# Altium PCB RTM_SFP.PcbDoc (part 14 of 17)
Units mil, origin at the board's own origin, x right, y up, seen from the top; angles counter-clockwise.
Board outline 7185 x 5846.5 mil, 4 copper layers (Top Layer, MidPlane_1, MidPlane_2, Bottom Layer), stack 63.553 mil thick; 389 components, 333 nets, 1578 pads, 1486 vias.
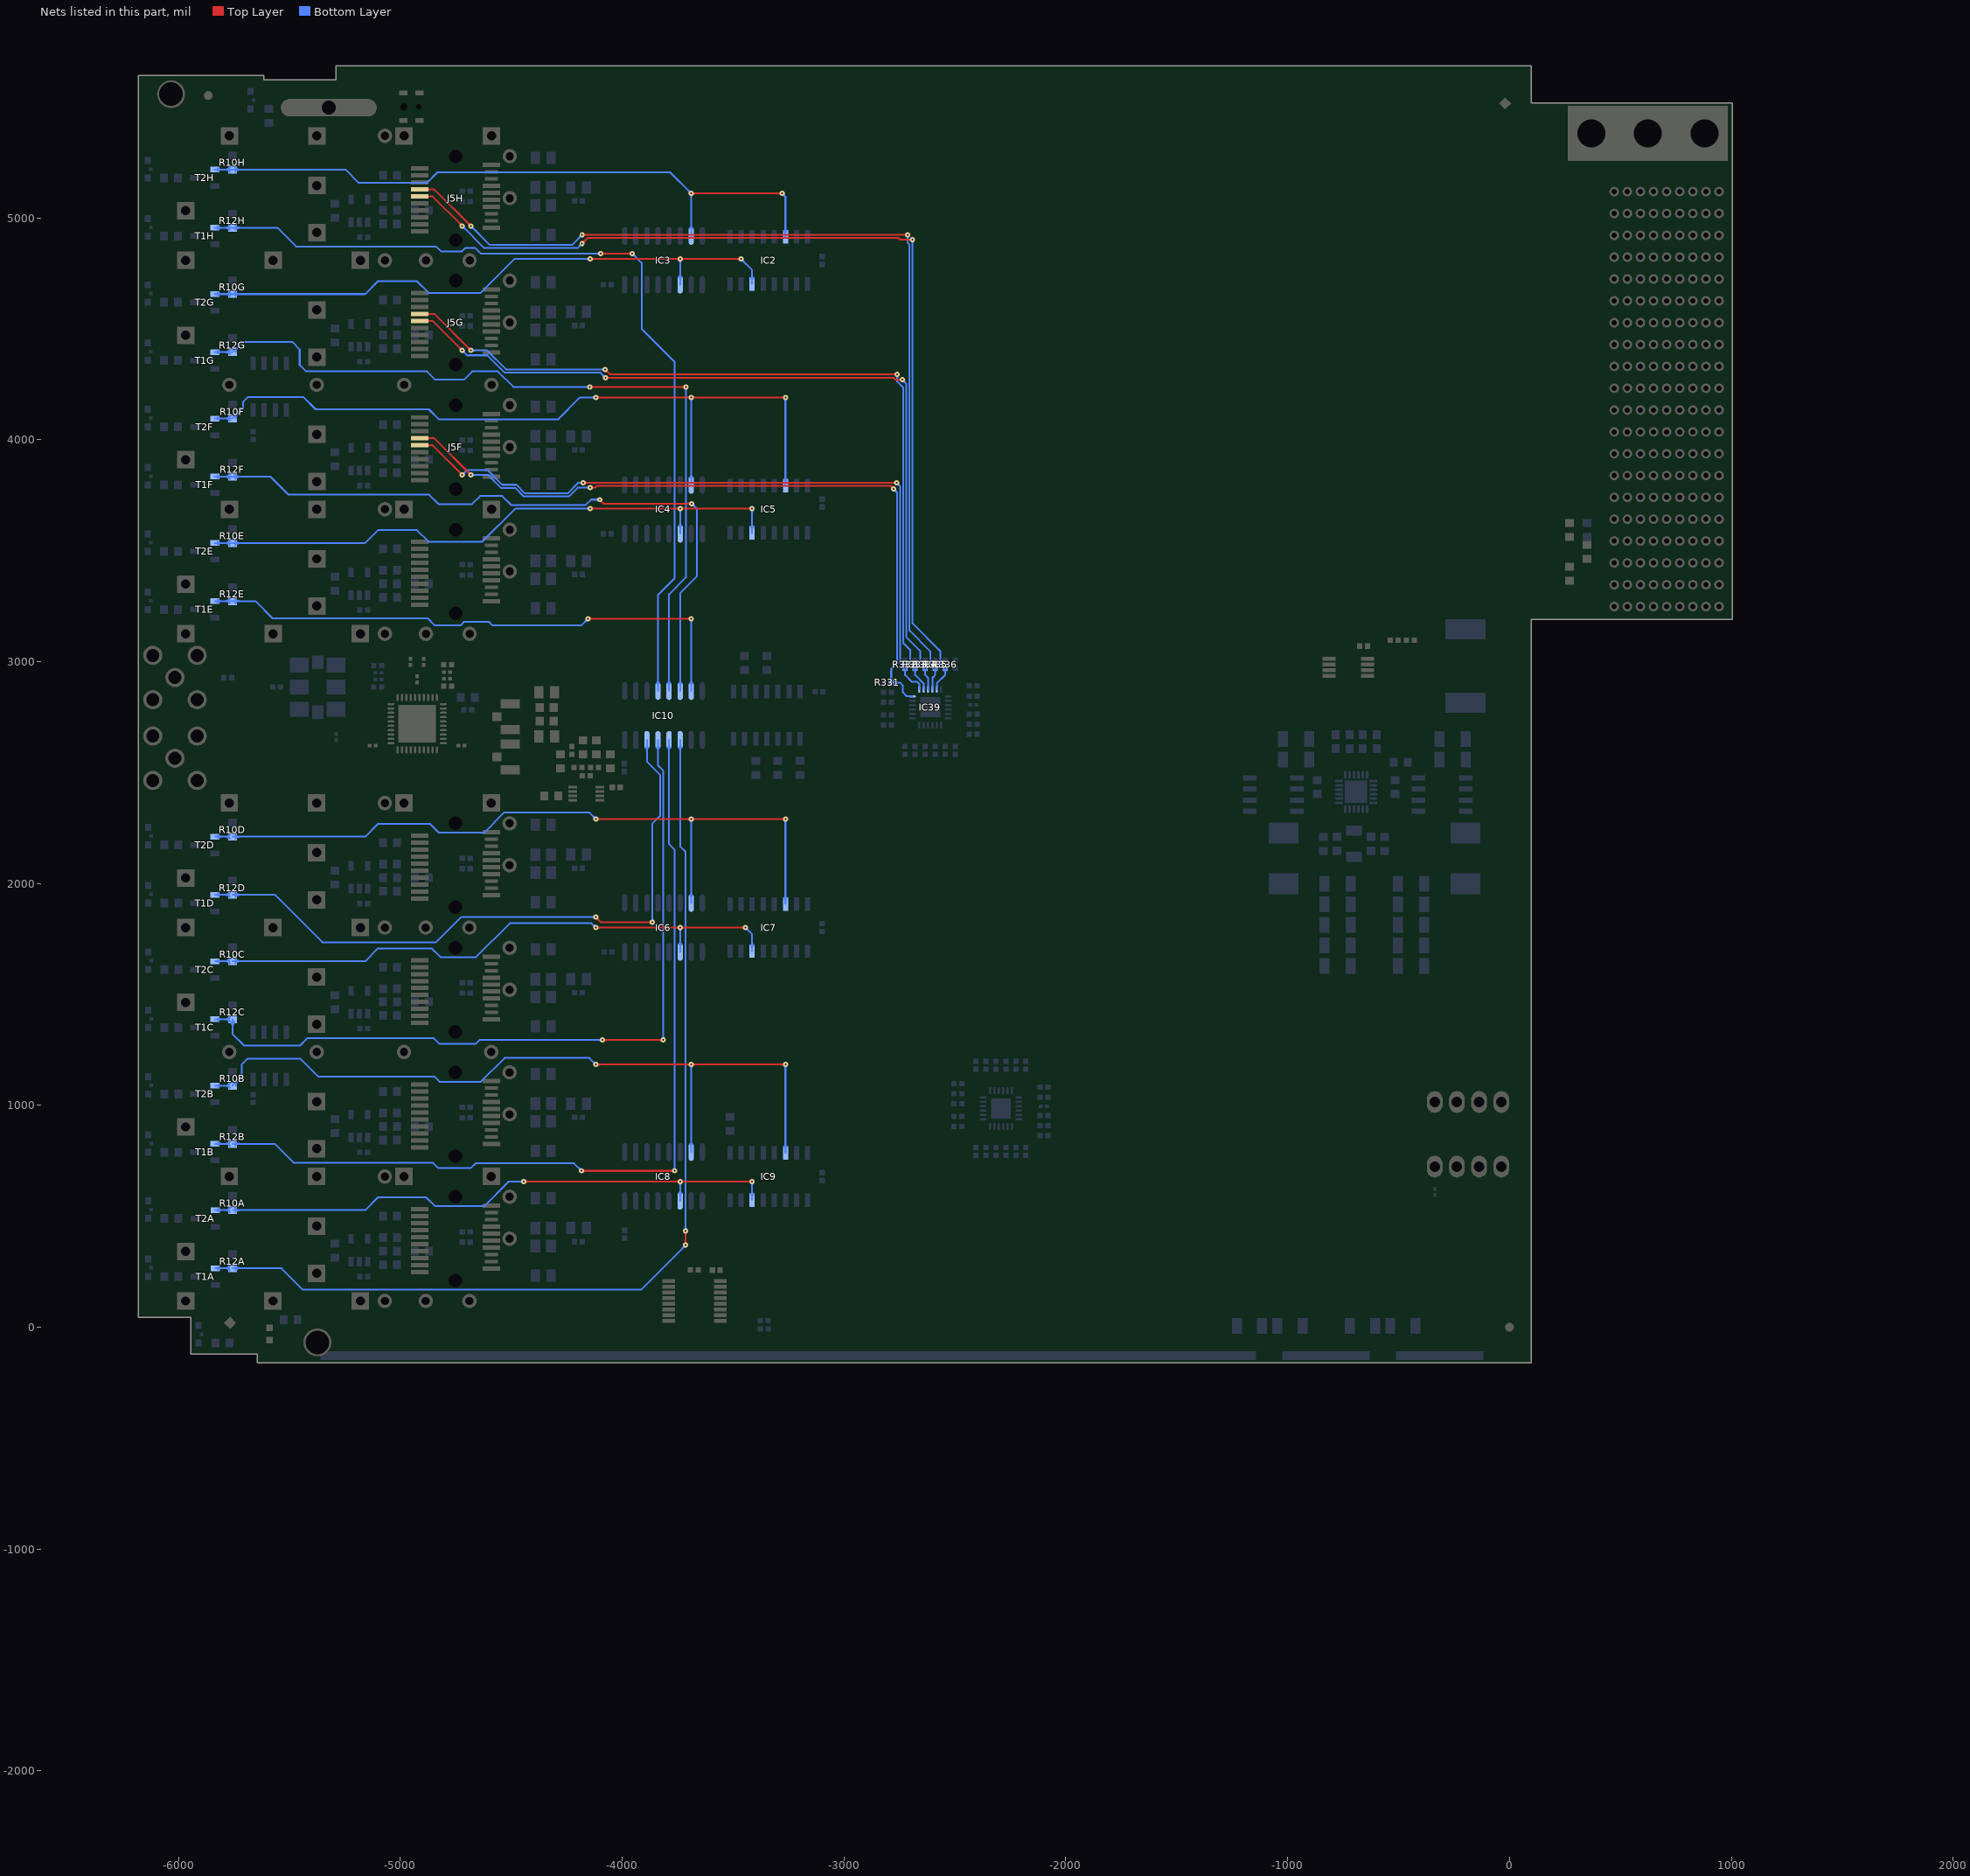
[diagram p16: the nets of this part, all layers, seen from the top]

## Via types
v1: diameter 23.62, hole 7.87, Top Layer to Bottom Layer, tented both sides, 1401 vias
v2: diameter 27.56, hole 11.81, Top Layer to Bottom Layer, tented both sides, 59 vias
v3: diameter 25.98, hole 12.99, Top Layer to Bottom Layer, tented top, 24 vias
v4: diameter 23.62, hole 11.81, Top Layer to Bottom Layer, tented both sides, 2 vias

## Nets (pads, with @x,y where several pads share a name; then routed paths per layer and width w, separated by ;. In a path a pad name is that pad's centre, name@x,y a point inside that pad or via, vN(x,y) a via of type N, cw(c..) or ccw(c..) an arc to the next point about the centre after c; other vN are vias at no path point) (continued)
SFP_I2C_6.SCL: IC39.13 J5F.5 R332.1 | length 3733.2
  Top Layer w7.99: J5F.5@-4912.42,3974.66 -4854.19,3974.66 v1(-4720.87,3841.34) ; J5F.5@-4878.76,3970.53 cw(c-4868.77,3960.55) -4868.77,3974.66 cw(c-4868.77,3988.78) J5F.5@-4878.76,3978.8 ; -4731.25,3850.91 ccw(c-4718.19,3854.41) v1@-4720.9,3841.17 ; -4730.44,3851.72 cw(c-4733.93,3838.66) v1@-4720.69,3841.37 ; v1(-4175.2,3805.91) v1(-2762.99,3805.91) ; -4734.21,3854.68 cw(c-4747.55,3841.34) -4728.68,3841.34 ccw(c-4747.55,3841.34) -4734.21,3854.68 ; -4734.21,3854.68 ccw(c-4720.87,3868.02) -4720.87,3849.15 cw(c-4720.87,3868.02) -4734.21,3854.68 ; -4156.33,3805.91 cw(c-4156.33,3824.77) -4169.67,3811.43 ccw(c-4156.33,3824.77) -4156.33,3805.91 ; -4156.33,3805.91 ccw(c-4156.33,3787.04) -4169.67,3800.38 cw(c-4156.33,3787.04) -4156.33,3805.91 ; -2781.86,3805.91 cw(c-2781.86,3787.04) -2768.52,3800.38 ccw(c-2781.86,3787.04) -2781.86,3805.91 ; -2781.86,3805.91 ccw(c-2781.86,3824.77) -2768.52,3811.43 cw(c-2781.86,3824.77) -2781.86,3805.91
  Bottom Layer w7.99: v1(-4720.87,3841.34) -4698.64,3863.57 -4607.53,3863.57 -4541.1,3797.13 -4477.15,3797.13 -4438.1,3758.09 -4246.29,3758.09 -4198.47,3805.91 v1(-4175.2,3805.91) ; v1(-2762.99,3805.91) -2747.05,3789.96 -2747.05,2990.39 -2726.94,2970.28 R332.1@-2724.61,2970.28 -2724.61,2939.17 -2694.49,2909.06 -2670.87,2909.06 -2660.18,2898.37 IC39.13@-2660.18,2874.81 ; -2741.93,2985.26 ccw(c-2724.61,3002.59) R332.1@-2724.61,2978.09 ; R332.1@-2736.3,2979.64 cw(c-2745.66,2970.28) R332.1@-2732.42,2970.28 ; R332.1@-2730.13,2964.75 cw(c-2743.47,2951.41) -2724.61,2951.41 cw(c-2705.74,2951.41) R332.1@-2719.08,2964.75 ; -4707.52,3854.68 cw(c-4720.87,3868.02) -4720.87,3849.15 ccw(c-4720.87,3868.02) -4707.52,3854.68 ; -4707.52,3854.68 ccw(c-4694.18,3841.34) -4713.05,3841.34 cw(c-4694.18,3841.34) -4707.52,3854.68 ; -4194.06,3805.91 cw(c-4194.06,3787.04) -4180.72,3800.38 ccw(c-4194.06,3787.04) -4194.06,3805.91 ; -4194.06,3805.91 ccw(c-4194.06,3824.77) -4180.72,3811.43 cw(c-4194.06,3824.77) -4194.06,3805.91 ; -2749.65,3792.56 cw(c-2736.31,3805.91) -2755.18,3805.91 ccw(c-2736.31,3805.91) -2749.65,3792.56 ; -2749.65,3792.56 ccw(c-2762.99,3779.22) -2762.99,3798.09 cw(c-2762.99,3779.22) -2749.65,3792.56
SFP_I2C_6.SDA: IC39.12 J5F.4 R331.1 | length 3795.8
  Top Layer w7.99: J5F.4@-4912.42,4006.16 -4847.1,4006.16 v1(-4682.28,3841.34) ; J5F.4@-4878.76,4002.02 cw(c-4868.77,3992.04) -4868.77,4006.16 cw(c-4868.77,4020.27) J5F.4@-4878.76,4010.29 ; -4692.66,3850.91 ccw(c-4679.61,3854.41) v1@-4682.32,3841.17 ; -4691.85,3851.72 cw(c-4695.35,3838.66) v1@-4682.11,3841.37 ; v1(-4143.31,3783.86) -4122.62,3783.86 -4114.57,3791.91 -2789.94,3791.91 v1(-2775.98,3777.95) ; -2786.36,3787.52 ccw(c-2773.31,3791.02) v1@-2776.02,3777.78 ; -2785.55,3788.33 cw(c-2789.05,3775.28) v1@-2775.81,3777.99 ; -4695.62,3854.68 cw(c-4708.97,3841.34) -4690.1,3841.34 ccw(c-4708.97,3841.34) -4695.62,3854.68 ; -4695.62,3854.68 ccw(c-4682.28,3868.02) -4682.28,3849.15 cw(c-4682.28,3868.02) -4695.62,3854.68 ; -4124.44,3783.86 cw(c-4124.44,3802.73) -4137.78,3789.38 ccw(c-4124.44,3802.73) -4124.44,3783.86 ; -4124.44,3783.86 ccw(c-4124.44,3764.99) -4137.78,3778.33 cw(c-4124.44,3764.99) -4124.44,3783.86 ; -2789.33,3791.29 cw(c-2802.67,3777.95) -2783.8,3777.95 ccw(c-2802.67,3777.95) -2789.33,3791.29 ; -2789.33,3791.29 ccw(c-2775.98,3804.63) -2775.98,3785.77 cw(c-2775.98,3804.63) -2789.33,3791.29
  Bottom Layer w7.99: v1(-4682.28,3841.34) -4605.09,3841.34 -4546.89,3783.14 -4482.94,3783.14 -4443.9,3744.09 -4240.5,3744.09 -4200.73,3783.86 v1@-4144.09,3783.86 ; R331.1@-2792.73,2911.63 ccw(c-2806.07,2924.97) -2787.2,2924.97 ccw(c-2768.34,2924.97) -2781.68,2911.63 ccw(c-2768.34,2924.97) -2768.34,2906.1 ccw(c-2768.34,2887.24) R331.1@-2781.68,2900.58 ; v1(-2775.98,3777.95) -2761.04,3763.01 -2761.04,2992.52 -2787.2,2966.35 R331.1@-2787.2,2906.1 -2748.23,2906.1 -2734.65,2892.52 -2734.65,2860.63 -2717.33,2843.31 IC39.12@-2691.68,2843.31 ; -4663.42,3841.34 cw(c-4663.42,3860.21) -4676.76,3846.86 ccw(c-4663.42,3860.21) -4663.42,3841.34 ; -4663.42,3841.34 ccw(c-4663.42,3822.47) -4676.76,3835.81 cw(c-4663.42,3822.47) -4663.42,3841.34 ; -4162.17,3783.86 cw(c-4162.17,3764.99) -4148.83,3778.33 ccw(c-4162.17,3764.99) -4162.17,3783.86 ; -4162.17,3783.86 ccw(c-4162.17,3802.73) -4148.83,3789.38 cw(c-4162.17,3802.73) -4162.17,3783.86 ; -2762.64,3764.61 cw(c-2749.3,3777.95) -2768.17,3777.95 ccw(c-2749.3,3777.95) -2762.64,3764.61 ; -2762.64,3764.61 ccw(c-2775.98,3751.27) -2775.98,3770.14 cw(c-2775.98,3751.27) -2762.64,3764.61
SFP_I2C_7.SCL: IC39.15 J5G.5 R334.1 | length 4197.5
  Top Layer w7.99: J5G.5@-4912.42,4535.69 -4854.19,4535.69 v1(-4720.87,4402.36) ; J5G.5@-4878.76,4531.55 cw(c-4868.77,4521.57) -4868.77,4535.69 cw(c-4868.77,4549.8) J5G.5@-4878.76,4539.82 ; -4731.25,4411.93 ccw(c-4718.19,4415.43) v1@-4720.9,4402.19 ; -4730.44,4412.74 cw(c-4733.93,4399.69) v1@-4720.69,4402.4 ; v1(-4075.98,4279.13) -2777.69,4279.13 -2768.88,4270.32 v1(-2736.77,4270.32) ; -4734.21,4415.7 cw(c-4747.55,4402.36) -4728.68,4402.36 ccw(c-4747.55,4402.36) -4734.21,4415.7 ; -4734.21,4415.7 ccw(c-4720.87,4429.05) -4720.87,4410.18 cw(c-4720.87,4429.05) -4734.21,4415.7 ; -4057.12,4279.13 cw(c-4057.12,4298) -4070.46,4284.66 ccw(c-4057.12,4298) -4057.12,4279.13 ; -4057.12,4279.13 ccw(c-4057.12,4260.27) -4070.46,4273.61 cw(c-4057.12,4260.27) -4057.12,4279.13 ; -2755.63,4270.32 cw(c-2755.63,4251.45) -2742.29,4264.79 ccw(c-2755.63,4251.45) -2755.63,4270.32 ; -2755.63,4270.32 ccw(c-2755.63,4289.19) -2742.29,4275.84 cw(c-2755.63,4289.19) -2755.63,4270.32
  Bottom Layer w7.99: v1(-4720.87,4402.36) -4699.06,4380.56 -4608.51,4380.56 -4530.83,4302.87 -4099.72,4302.87 v1(-4075.98,4279.13) ; v1(-2736.77,4270.32) -2719.05,4252.6 -2719.05,3109.99 -2656.69,3047.64 -2656.69,2990.39 -2636.58,2970.28 R334.1@-2634.25,2970.28 -2634.25,2939.17 -2620.81,2925.73 IC39.15@-2620.81,2874.81 ; -2651.57,2985.26 ccw(c-2634.25,3002.59) R334.1@-2634.25,2978.09 ; R334.1@-2645.94,2979.64 cw(c-2655.31,2970.28) R334.1@-2642.07,2970.28 ; R334.1@-2639.78,2964.75 cw(c-2653.12,2951.41) -2634.25,2951.41 cw(c-2615.38,2951.41) R334.1@-2628.73,2964.75 ; -4707.52,4389.02 cw(c-4694.18,4402.36) -4713.05,4402.36 ccw(c-4694.18,4402.36) -4707.52,4389.02 ; -4707.52,4389.02 ccw(c-4720.87,4375.68) -4720.87,4394.55 cw(c-4720.87,4375.68) -4707.52,4389.02 ; -4089.33,4292.47 cw(c-4102.67,4279.13) -4083.8,4279.13 ccw(c-4102.67,4279.13) -4089.33,4292.47 ; -4089.33,4292.47 ccw(c-4075.98,4305.82) -4075.98,4286.95 cw(c-4075.98,4305.82) -4089.33,4292.47 ; -2723.43,4256.98 cw(c-2710.09,4270.32) -2728.95,4270.32 ccw(c-2710.09,4270.32) -2723.43,4256.98 ; -2723.43,4256.98 ccw(c-2736.77,4243.64) -2736.77,4262.5 cw(c-2736.77,4243.64) -2723.43,4256.98
SFP_I2C_7.SDA: IC39.14 J5G.4 R333.1 | length 4230.2
  Top Layer w7.99: J5G.4@-4912.42,4567.18 -4847.1,4567.18 v1(-4682.28,4402.36) ; J5G.4@-4878.76,4563.05 cw(c-4868.77,4553.07) -4868.77,4567.18 cw(c-4868.77,4581.3) J5G.4@-4878.76,4571.32 ; -4692.66,4411.93 ccw(c-4679.61,4415.43) v1@-4682.32,4402.19 ; -4691.85,4412.74 cw(c-4695.35,4399.69) v1@-4682.11,4402.4 ; v1@-4076.5,4316.84 ccw(c-4063.26,4319.55) -4066.75,4306.5 ; v1(-4076.32,4316.87) -4054.72,4295.28 v1(-2759.84,4295.28) ; v1@-4076.29,4317.05 cw(c-4079,4303.81) -4065.94,4307.31 ; -4695.62,4415.7 cw(c-4708.97,4402.36) -4690.1,4402.36 ccw(c-4708.97,4402.36) -4695.62,4415.7 ; -4695.62,4415.7 ccw(c-4682.28,4429.05) -4682.28,4410.18 cw(c-4682.28,4429.05) -4695.62,4415.7 ; -4062.98,4303.53 cw(c-4049.64,4316.87) -4068.51,4316.87 ccw(c-4049.64,4316.87) -4062.98,4303.53 ; -4062.98,4303.53 ccw(c-4076.32,4290.19) -4076.32,4309.06 cw(c-4076.32,4290.19) -4062.98,4303.53 ; -2778.71,4295.28 cw(c-2778.71,4276.41) -2765.37,4289.75 ccw(c-2778.71,4276.41) -2778.71,4295.28 ; -2778.71,4295.28 ccw(c-2778.71,4314.14) -2765.37,4300.8 cw(c-2778.71,4314.14) -2778.71,4295.28
  Bottom Layer w7.99: v1(-4682.28,4402.36) -4609.45,4402.36 -4523.96,4316.87 v1(-4076.32,4316.87) ; v1@-2759.84,4292.13 -2759.84,4262.2 -2733.05,4235.41 -2733.05,3084.23 -2701.97,3053.15 -2701.97,2990.39 -2681.86,2970.28 R333.1@-2679.53,2970.28 -2679.53,2939.17 -2640.5,2900.14 IC39.14@-2640.5,2874.81 ; -2696.85,2985.26 ccw(c-2679.53,3002.59) R333.1@-2679.53,2978.09 ; R333.1@-2691.22,2979.64 cw(c-2700.58,2970.28) R333.1@-2687.34,2970.28 ; R333.1@-2685.05,2964.75 cw(c-2698.39,2951.41) -2679.53,2951.41 cw(c-2660.66,2951.41) R333.1@-2674,2964.75 ; -4663.42,4402.36 cw(c-4663.42,4421.23) -4676.76,4407.89 ccw(c-4663.42,4421.23) -4663.42,4402.36 ; -4663.42,4402.36 ccw(c-4663.42,4383.5) -4676.76,4396.84 cw(c-4663.42,4383.5) -4663.42,4402.36 ; -4095.19,4316.87 cw(c-4095.19,4298.01) -4081.85,4311.35 ccw(c-4095.19,4298.01) -4095.19,4316.87 ; -4095.19,4316.87 ccw(c-4095.19,4335.74) -4081.85,4322.4 cw(c-4095.19,4335.74) -4095.19,4316.87 ; -2759.84,4276.41 cw(c-2740.98,4276.41) -2754.32,4289.75 ccw(c-2740.98,4276.41) -2759.84,4276.41 ; -2759.84,4276.41 ccw(c-2778.71,4276.41) -2765.37,4289.75 cw(c-2778.71,4276.41) -2759.84,4276.41
SFP_I2C_8.SCL: IC39.17 J5H.5 R336.1 | length 4941.8
  Top Layer w7.99: J5H.5@-4912.42,5096.71 -4854.19,5096.71 v1(-4720.87,4963.39) ; J5H.5@-4878.76,5092.58 cw(c-4868.77,5082.6) -4868.77,5096.71 cw(c-4868.77,5110.82) J5H.5@-4878.76,5100.84 ; -4731.25,4972.96 ccw(c-4718.19,4976.45) v1@-4720.9,4963.21 ; -4730.44,4973.77 cw(c-4733.93,4960.71) v1@-4720.69,4963.42 ; v1@-4180.88,4884.29 cw(c-4167.64,4881.58) -4171.14,4894.63 ; v1(-4180.71,4884.25) -4155.33,4909.63 -2755.12,4909.63 -2747.3,4901.81 v1(-2691.05,4901.81) ; v1@-4180.67,4884.08 ccw(c-4183.38,4897.32) -4170.33,4893.82 ; -4734.21,4976.73 cw(c-4747.55,4963.39) -4728.68,4963.39 ccw(c-4747.55,4963.39) -4734.21,4976.73 ; -4734.21,4976.73 ccw(c-4720.87,4990.07) -4720.87,4971.2 cw(c-4720.87,4990.07) -4734.21,4976.73 ; -4167.37,4897.59 cw(c-4180.71,4910.93) -4180.71,4892.07 ccw(c-4180.71,4910.93) -4167.37,4897.59 ; -4167.37,4897.59 ccw(c-4154.03,4884.25) -4172.89,4884.25 cw(c-4154.03,4884.25) -4167.37,4897.59 ; -2709.92,4901.82 cw(c-2709.92,4882.95) -2696.58,4896.29 ccw(c-2709.92,4882.95) -2709.92,4901.82 ; -2709.92,4901.81 ccw(c-2709.92,4920.68) -2696.58,4907.34 cw(c-2709.92,4920.68) -2709.92,4901.81
  Bottom Layer w7.99: v1(-4720.87,4963.39) -4621.38,4863.9 -4201.06,4863.9 v1(-4180.71,4884.25) ; v1(-2691.05,4901.81) -2691.05,3171.76 -2566.34,3047.05 -2566.34,2990.39 -2546.23,2970.28 R336.1@-2543.9,2970.28 -2543.9,2939.17 -2581.44,2901.63 IC39.17@-2581.44,2874.81 ; -2561.22,2985.26 ccw(c-2543.9,3002.59) R336.1@-2543.9,2978.09 ; R336.1@-2555.59,2979.64 cw(c-2564.95,2970.28) R336.1@-2551.71,2970.28 ; R336.1@-2549.42,2964.75 cw(c-2562.76,2951.41) -2543.9,2951.41 cw(c-2525.03,2951.41) R336.1@-2538.37,2964.75 ; -4707.52,4950.05 cw(c-4694.18,4963.39) -4713.05,4963.39 ccw(c-4694.18,4963.39) -4707.52,4950.05 ; -4707.52,4950.05 ccw(c-4720.87,4936.7) -4720.87,4955.57 cw(c-4720.87,4936.7) -4707.52,4950.05 ; -4194.05,4870.91 cw(c-4180.71,4857.57) -4180.71,4876.44 ccw(c-4180.71,4857.57) -4194.05,4870.91 ; -4194.05,4870.91 ccw(c-4207.39,4884.25) -4188.52,4884.25 cw(c-4207.39,4884.25) -4194.05,4870.91 ; -2691.05,4882.95 cw(c-2672.18,4882.95) -2685.53,4896.29 ccw(c-2672.18,4882.95) -2691.05,4882.95 ; -2691.05,4882.95 ccw(c-2709.92,4882.95) -2696.58,4896.29 cw(c-2709.92,4882.95) -2691.05,4882.95
SFP_I2C_8.SDA: IC39.16 J5H.4 R335.1 | length 4895.7
  Top Layer w7.99: J5H.4@-4912.42,5128.21 -4847.1,5128.21 v1(-4682.28,4963.39) ; J5H.4@-4878.76,5124.07 cw(c-4868.77,5114.09) -4868.77,5128.21 cw(c-4868.77,5142.32) J5H.4@-4878.76,5132.34 ; -4692.66,4972.96 ccw(c-4679.61,4976.45) v1@-4682.32,4963.21 ; -4691.85,4973.77 cw(c-4695.35,4960.71) v1@-4682.11,4963.42 ; v1(-4180.71,4923.62) v1(-2712.92,4923.62) ; -4695.62,4976.73 cw(c-4708.97,4963.39) -4690.1,4963.39 ccw(c-4708.97,4963.39) -4695.62,4976.73 ; -4695.62,4976.73 ccw(c-4682.28,4990.07) -4682.28,4971.2 cw(c-4682.28,4990.07) -4695.62,4976.73 ; -4161.84,4923.62 cw(c-4161.84,4942.49) -4175.18,4929.15 ccw(c-4161.84,4942.49) -4161.84,4923.62 ; -4161.84,4923.62 ccw(c-4161.84,4904.76) -4175.18,4918.1 cw(c-4161.84,4904.76) -4161.84,4923.62 ; -2731.79,4923.62 cw(c-2731.79,4904.76) -2718.45,4918.1 ccw(c-2731.79,4904.76) -2731.79,4923.62 ; -2731.79,4923.62 ccw(c-2731.79,4942.49) -2718.45,4929.15 cw(c-2731.79,4942.49) -2731.79,4923.62
  Bottom Layer w7.99: v1(-4682.28,4963.39) -4596.8,4877.9 -4226.43,4877.9 v1(-4180.71,4923.62) ; v1(-2712.92,4923.62) -2712.92,4887.72 -2705.05,4879.85 -2705.05,3140.48 -2611.42,3046.85 -2611.42,2990.39 -2591.31,2970.28 R335.1@-2588.98,2970.28 -2588.98,2939.17 -2601.13,2927.02 IC39.16@-2601.13,2874.81 ; -2606.3,2985.26 ccw(c-2588.98,3002.59) R335.1@-2588.98,2978.09 ; R335.1@-2600.67,2979.64 cw(c-2610.03,2970.28) R335.1@-2596.79,2970.28 ; R335.1@-2594.5,2964.75 cw(c-2607.84,2951.41) -2588.98,2951.41 cw(c-2570.11,2951.41) R335.1@-2583.45,2964.75 ; -4668.94,4950.05 cw(c-4655.6,4963.39) -4674.47,4963.39 ccw(c-4655.6,4963.39) -4668.94,4950.05 ; -4668.94,4950.05 ccw(c-4682.28,4936.7) -4682.28,4955.57 cw(c-4682.28,4936.7) -4668.94,4950.05 ; -4194.05,4910.28 cw(c-4180.71,4896.94) -4180.71,4915.81 ccw(c-4180.71,4896.94) -4194.05,4910.28 ; -4194.05,4910.28 ccw(c-4207.39,4923.62) -4188.52,4923.62 cw(c-4207.39,4923.62) -4194.05,4910.28 ; -2712.92,4904.76 cw(c-2694.05,4904.76) -2707.4,4918.1 ccw(c-2694.05,4904.76) -2712.92,4904.76 ; -2712.92,4904.76 ccw(c-2731.79,4904.76) -2718.45,4918.1 cw(c-2731.79,4904.76) -2712.92,4904.76
SFP_LED1_1: IC2.14 IC3.7 R10H.2 T2H.1 | length 3520.4
  Top Layer w7.99: v1(-3688.78,5109.84) v1(-3278.74,5109.84) ; -3669.91,5109.84 cw(c-3669.91,5128.71) -3683.25,5115.37 ccw(c-3669.91,5128.71) -3669.91,5109.84 ; -3669.91,5109.84 ccw(c-3669.91,5090.98) -3683.25,5104.32 cw(c-3669.91,5090.98) -3669.91,5109.84 ; -3297.61,5109.84 cw(c-3297.61,5090.98) -3284.27,5104.32 ccw(c-3297.61,5090.98) -3297.61,5109.84 ; -3297.61,5109.84 ccw(c-3297.61,5128.71) -3284.27,5115.37 cw(c-3297.61,5128.71) -3297.61,5109.84
  Bottom Layer w7.99: T2H.1@-5836.61,5217.52 R10H.2@-5756.69,5217.52 -5247.64,5217.52 -5187.6,5157.48 -4881.14,5157.48 -4833.29,5205.33 -3784.27,5205.33 v1(-3688.78,5109.84) ; T2H.1@-5822.52,5211.3 cw(c-5807.5,5196.28) -5807.5,5217.52 cw(c-5807.5,5238.76) T2H.1@-5822.52,5223.74 ; R10H.2@-5768.36,5207.82 ccw(c-5791.79,5184.39) -5791.79,5217.52 ccw(c-5791.79,5250.64) R10H.2@-5768.36,5227.22 ; R10H.2@-5745.02,5207.82 cw(c-5721.6,5184.4) -5721.6,5217.52 cw(c-5721.6,5250.64) R10H.2@-5745.02,5227.22 ; IC3.7@-3694.44,4952.18 ccw(c-3708.1,4965.84) -3688.78,4965.84 ccw(c-3669.46,4965.84) IC3.7@-3683.12,4952.18 ; IC3.7@-3688.78,4918.52 v1@-3688.78,5101.97 ; v1(-3278.74,5109.84) -3264.17,5095.28 IC2.14@-3264.17,4914.82 ; IC2.14@-3269.7,4939.05 ccw(c-3283.04,4952.39) -3264.17,4952.39 ccw(c-3245.31,4952.39) IC2.14@-3258.65,4939.05 ; -3702.12,5123.18 cw(c-3715.46,5109.84) -3696.59,5109.84 ccw(c-3715.46,5109.84) -3702.12,5123.18 ; -3702.12,5123.18 ccw(c-3688.78,5136.52) -3688.78,5117.66 cw(c-3688.78,5136.52) -3702.12,5123.18 ; -3688.78,5090.98 cw(c-3669.91,5090.98) -3683.25,5104.32 ccw(c-3669.91,5090.98) -3688.78,5090.98 ; -3688.78,5090.98 ccw(c-3707.65,5090.98) -3694.31,5104.32 cw(c-3707.65,5090.98) -3688.78,5090.98 ; -3265.4,5096.5 cw(c-3252.06,5109.84) -3270.93,5109.84 ccw(c-3252.06,5109.84) -3265.4,5096.5 ; -3265.4,5096.5 ccw(c-3278.74,5083.16) -3278.74,5102.03 cw(c-3278.74,5083.16) -3265.4,5096.5
SFP_LED1_2: IC2.6 IC3.11 R10G.2 T2G.1 | length 3342.7
  Top Layer w7.99: v1(-4143.31,4814.57) v1(-3738.78,4814.57) v1(-3464.17,4814.57) ; -4124.44,4814.57 cw(c-4124.44,4833.43) -4137.78,4820.09 ccw(c-4124.44,4833.43) -4124.44,4814.57 ; -4124.44,4814.57 ccw(c-4124.44,4795.7) -4137.78,4809.04 cw(c-4124.44,4795.7) -4124.44,4814.57 ; -3757.65,4814.57 cw(c-3757.65,4795.7) -3744.31,4809.04 ccw(c-3757.65,4795.7) -3757.65,4814.57 ; -3757.65,4814.57 ccw(c-3757.65,4833.43) -3744.31,4820.09 cw(c-3757.65,4833.43) -3757.65,4814.57 ; -3719.91,4814.57 cw(c-3719.91,4833.43) -3733.25,4820.09 ccw(c-3719.91,4833.43) -3719.91,4814.57 ; -3719.91,4814.57 ccw(c-3719.91,4795.7) -3733.25,4809.04 cw(c-3719.91,4795.7) -3719.91,4814.57 ; -3483.04,4814.57 cw(c-3483.04,4795.7) -3469.7,4809.04 ccw(c-3483.04,4795.7) -3483.04,4814.57 ; -3483.04,4814.57 ccw(c-3483.04,4833.43) -3469.7,4820.09 cw(c-3483.04,4833.43) -3483.04,4814.57
  Bottom Layer w7.99: T2G.1@-5836.61,4656.5 R10G.2@-5756.69,4656.5 -5158.86,4656.5 -5100.79,4714.57 -4925.59,4714.57 -4873.23,4662.2 -4638.19,4662.2 -4485.83,4814.57 v1(-4143.31,4814.57) ; T2G.1@-5822.52,4650.27 cw(c-5807.5,4635.25) -5807.5,4656.5 cw(c-5807.5,4677.74) T2G.1@-5822.52,4662.72 ; R10G.2@-5768.36,4646.79 ccw(c-5791.79,4623.37) -5791.79,4656.5 ccw(c-5791.79,4689.62) R10G.2@-5768.36,4666.2 ; R10G.2@-5745.02,4646.79 cw(c-5721.6,4623.37) -5721.6,4656.5 cw(c-5721.6,4689.62) R10G.2@-5745.02,4666.2 ; IC3.11@-3744.44,4732.18 ccw(c-3758.1,4745.84) -3738.78,4745.84 ccw(c-3719.46,4745.84) IC3.11@-3733.12,4732.18 ; IC3.11@-3738.78,4698.52 v1(-3738.78,4814.57) ; v1(-3464.17,4814.57) -3414.17,4764.57 IC2.6@-3414.17,4702.22 ; IC2.6@-3419.7,4726.45 ccw(c-3433.04,4739.79) -3414.17,4739.79 ccw(c-3395.31,4739.79) IC2.6@-3408.65,4726.45 ; -4162.17,4814.57 cw(c-4162.17,4795.7) -4148.83,4809.04 ccw(c-4162.17,4795.7) -4162.17,4814.57 ; -4162.18,4814.57 ccw(c-4162.18,4833.44) -4148.83,4820.09 cw(c-4162.18,4833.44) -4162.18,4814.57 ; -3738.78,4795.7 cw(c-3719.91,4795.7) -3733.25,4809.04 ccw(c-3719.91,4795.7) -3738.78,4795.7 ; -3738.78,4795.7 ccw(c-3757.65,4795.7) -3744.31,4809.04 cw(c-3757.65,4795.7) -3738.78,4795.7 ; -3450.83,4801.23 cw(c-3437.49,4814.57) -3456.36,4814.57 ccw(c-3437.49,4814.57) -3450.83,4801.23 ; -3450.83,4801.23 ccw(c-3464.17,4787.89) -3464.17,4806.75 cw(c-3464.17,4787.89) -3450.83,4801.23
SFP_LED1_3: IC4.7 IC5.14 R10F.2 T2F.1 | length 4117.7
  Top Layer w7.99: v1(-4118.9,4190.94) v1(-3688.78,4190.94) v1(-3264.17,4190.94) ; -4100.03,4190.94 cw(c-4100.03,4209.81) -4113.37,4196.47 ccw(c-4100.03,4209.81) -4100.03,4190.94 ; -4100.03,4190.94 ccw(c-4100.03,4172.08) -4113.37,4185.42 cw(c-4100.03,4172.08) -4100.03,4190.94 ; -3707.65,4190.94 cw(c-3707.65,4172.08) -3694.31,4185.42 ccw(c-3707.65,4172.08) -3707.65,4190.94 ; -3707.65,4190.94 ccw(c-3707.65,4209.81) -3694.31,4196.47 cw(c-3707.65,4209.81) -3707.65,4190.94 ; -3669.91,4190.94 cw(c-3669.91,4209.81) -3683.25,4196.47 ccw(c-3669.91,4209.81) -3669.91,4190.94 ; -3669.91,4190.94 ccw(c-3669.91,4172.08) -3683.25,4185.42 cw(c-3669.91,4172.08) -3669.91,4190.94 ; -3283.04,4190.94 cw(c-3283.04,4172.08) -3269.7,4185.42 ccw(c-3283.04,4172.08) -3283.04,4190.94 ; -3283.04,4190.94 ccw(c-3283.04,4209.81) -3269.7,4196.47 cw(c-3283.04,4209.81) -3283.04,4190.94
  Bottom Layer w7.99: T2F.1@-5836.61,4095.47 R10F.2@-5756.69,4095.47 ; T2F.1@-5822.52,4089.25 cw(c-5807.5,4074.23) -5807.5,4095.47 cw(c-5807.5,4116.72) T2F.1@-5822.52,4101.69 ; R10F.2@-5768.36,4085.77 ccw(c-5791.79,4062.35) -5791.79,4095.47 ccw(c-5791.79,4128.6) R10F.2@-5768.36,4105.17 ; R10F.2@-5756.69,4095.47 -5708.66,4143.5 -5708.66,4171.26 -5687.01,4192.91 -5437.8,4192.91 -5381.89,4137.01 -4871.65,4137.01 -4825.59,4090.94 -4290.16,4090.94 -4190.16,4190.94 v1(-4118.9,4190.94) ; R10F.2@-5754.72,4109.19 ccw(c-5754.72,4137.56) -5734.66,4117.5 ; R10F.2@-5741,4095.47 cw(c-5703.13,4095.47) -5729.91,4122.26 ; IC4.7@-3694.44,3830.13 ccw(c-3708.1,3843.8) -3688.78,3843.8 ccw(c-3669.46,3843.8) IC4.7@-3683.12,3830.13 ; IC4.7@-3688.78,3796.47 v1(-3688.78,4190.94) ; IC5.14@-3269.7,3817 ccw(c-3283.04,3830.34) -3264.17,3830.34 ccw(c-3245.31,3830.34) IC5.14@-3258.65,3817 ; IC5.14@-3264.17,3792.77 v1(-3264.17,4190.94) ; -4137.76,4190.94 cw(c-4137.76,4172.08) -4124.42,4185.42 ccw(c-4137.76,4172.08) -4137.76,4190.94 ; -4137.76,4190.94 ccw(c-4137.76,4209.81) -4124.42,4196.47 cw(c-4137.76,4209.81) -4137.76,4190.94 ; -3688.78,4172.08 cw(c-3669.91,4172.08) -3683.25,4185.42 ccw(c-3669.91,4172.08) -3688.78,4172.08 ; -3688.78,4172.08 ccw(c-3707.65,4172.08) -3694.31,4185.42 cw(c-3707.65,4172.08) -3688.78,4172.08 ; -3264.17,4172.08 cw(c-3245.31,4172.08) -3258.65,4185.42 ccw(c-3245.31,4172.08) -3264.17,4172.08 ; -3264.17,4172.08 ccw(c-3283.04,4172.08) -3269.7,4185.42 cw(c-3283.04,4172.08) -3264.17,4172.08